# Altium PCB PowerBoardV1.PcbDoc
Units mil, origin at the board's own origin, x right, y up, seen from the top; angles counter-clockwise.
Board outline 3937.1 x 1929.3 mil, 2 copper layers (Top Layer, Bottom Layer); 4 components, 0 nets, 22 pads, 0 vias.
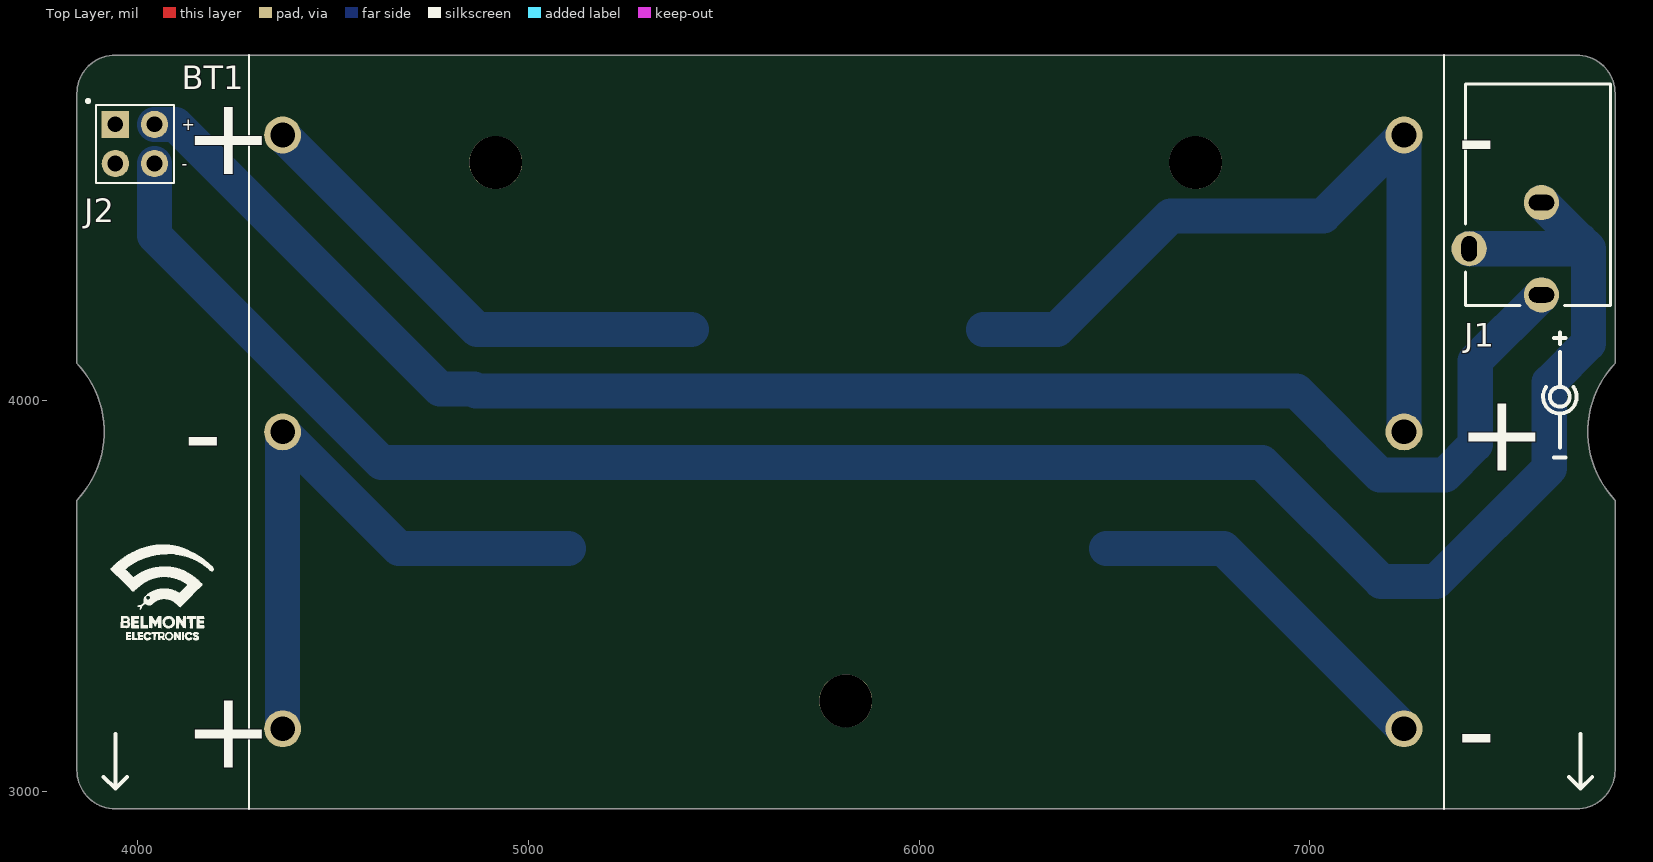
[diagram p0: Top Layer view]
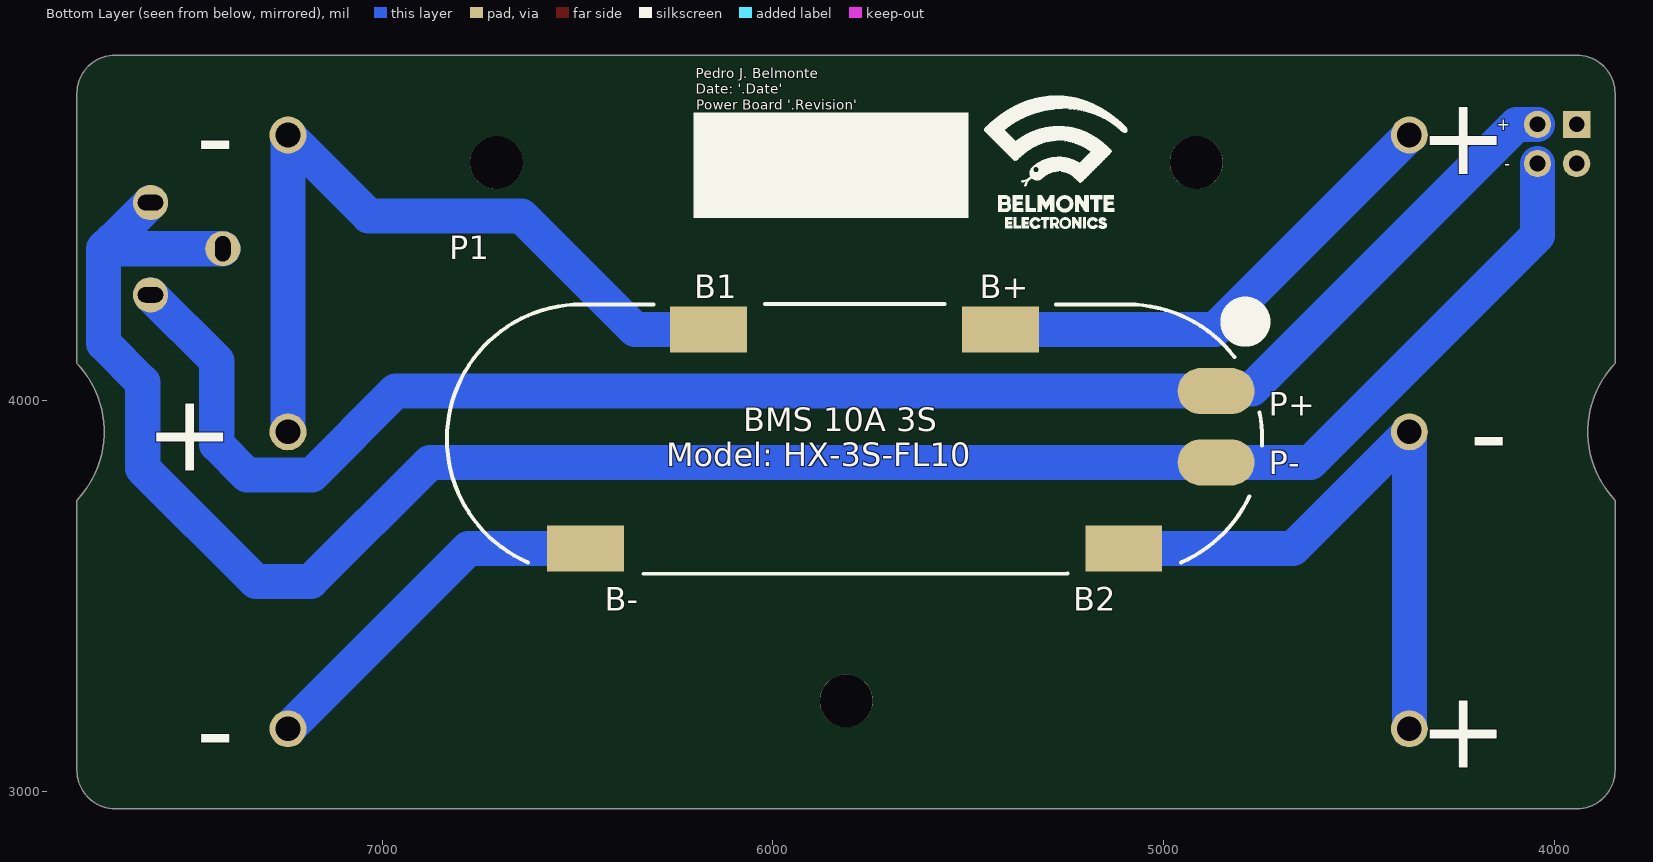
[diagram p1: Bottom Layer view, seen from below]

## Layer stack, top to bottom
Top Solder: solder mask 0.4, Solder Resist, Dk 3.5
Top Layer: signal copper 1.4
Dielectric1: dielectric 12.6, FR-4, Dk 4.8
Bottom Layer: signal copper 1.4
Bottom Solder: solder mask 0.4, Solder Resist, Dk 3.5

## Board outline
3844.4,3053.9 3844.4,3745.2 ccw(c3660.04,3920.3) 3844.4,4095.4 3844.4,4786.1 3844.4,4785.95 cw(c3943.15,4785.95) 3943.15,4884.7 7682.75,4884.7 cw(c7682.75,4785.95) 7781.5,4785.95 7781.5,4786.1 7781.5,4095.4 ccw(c7965.86,3920.3) 7781.5,3745.2 7781.5,3054 cw(c7682.9,3054) 7682.9,2955.4 3943,2955.4 cw(c3943,3054)

## Design rules (kind name [scope] priority, off if disabled: settings)
Clearance [All] p1: gap=10 ignorepadtopadclearanceinfootprint=FALSE except(0: Arc-Hole Track-Hole SMDPad-Hole THPad-Hole Via-Hole Fill-Hole Poly-Hole Region-Hole Text-Hole)
FabricationTestPointUsage TestPointUsage [All] p1: valid=0 allowmultiple=FALSE
FabricationTestpoint Testpoint [All] p1: side=3 testpointundercomponent=TRUE minsize=40 maxsize=100 preferedsize=60 minholesize=0 maxholesize=40 preferedholesize=32 testpointgrid=1 allowsidetop=TRUE allowsidebottom=TRUE usegrid=TRUE gridtolerance=0.01
PolygonConnect [All] p1: connectstyle=Relief reliefconductorwidth=10 reliefentries=4 polygonreliefangle="90 Angle" airgapwidth=10
RoutingVias [All] p1: holewidth=28 width=50 viastyle="Through Hole" minholewidth=28 minwidth=50 maxholewidth=28 maxwidth=50
SilkToSolderMaskClearance SilkscreenOverComponentPads [IsPad] p1: minsilkscreentomaskgap=10 clearancetoexposedcopper=TRUE
SolderMaskExpansion [All] p1: expansion=4 istentingtop=FALSE
Width [All] p1: maxlimit=10 minlimit=10 preferedwidth=10
27 further rules are at their usual default settings.

## Components (designator, comment, footprint, x,y, rotation, side; value= is the part's Value field where it differs from the comment)
BT1 "BK-18650-PC6" BAT_BK-18650-PC6 5814,3920 r0 top
J1 "PJ-102AH" "CUI PJ-102AH" 7593,4526.69 r0 top
J2 "PIN HEADER 2x1" M20-9950245 3993,4657 r0 top
P1 "BMS3S10A" BMS 5791,3902 r180 bottom

## Footprints (in the part's own frame and the unit in brackets; to place one, negate y for a bottom-side part, rotate by r counter-clockwise, add the part's x,y. Pads: shape width x height; smd on the part's side, far side on the other; paste and mask are expansions set on the pad)
BAT_BK-18650-PC6 [mm]
  round 2.4 hole 1.6: 1+(-36.65,19.3) 1-(36.25,19.3) 2+(36.25,0) 2-(-36.65,0) 3+(-36.65,-19.3) 3-(36.25,-19.3)
  silkscreen extent -38.85,-24.51 38.85,24.51, body extent -38.86,-29.68 38.79,29.72, height 21.7
BMS [mm]
  rect 5x3 smd: 1(9.5,7.112) 2(-9.5,7.112) 3(-17.5,-7.112) 4(17.5,-7.112)
  oval 5x3 smd: 5(23.5,-1.524) 6(23.5,3.11)
  silkscreen extent -26.5,-8.76 26.5,8.76
"CUI PJ-102AH" [mm] "DC Barrel Jack W/ Switch 2.0x5.5"
  round 2.286 hole 1 slot 1.651 at 0 deg: 1(0,-6.5) 2(0,-0.5)
  round 2.286 hole 1 slot 1.651 at 90 deg: 3(-4.7,-3.5)
  silkscreen extent -4.92,-7.2 4.47,7.2, body extent -4.92,-7.2 4.47,7.2, height 11
M20-9950245 [mil] "M20-9950245 Pin Connector"
  rect 70x70 hole 40: 1(-50,50)
  round 70 hole 40: 2(-50,-50) 3(50,50) 4(50,-50)
  silkscreen extent -124,-100 100,114, body extent -100,-62 100,548, height 202

## Part data
BT1: "Battery Holder _Open_ 18650 3 Cell PC Pin", Package=None, Availability=Unavailable, MF=MPD, MP=BK-18650-PC6, Price=None, SnapEDA_Link=https://www.snapeda.com/parts/BK-18650-PC6/MPD/view-part/4480464/?ref=snap
J1: "CONN PWR JACK 2X5.5MM SOLDER", Current Rating (Amps)=5A, Manufacturer="CUI Devices", Material Flammability Rating="UL94 V-0", Supplier Part Number 1=CP-102AH-ND, Voltage - Rated=24VDC, Actual Diameter="0.079\" (2.00mm ID), 0.256\" (6.50mm OD)", ComponentLink1Description=Datasheet, ComponentLink1URL=https://www.cuidevices.com/product/resource/digikeypdf/pj-102ah.pdf, ComponentLink2Description="DigiKey Link", ComponentLink2URL=//digikey.com/product-detail/en/cui-devices/PJ-102AH/CP-102AH-ND/408448, Connector Type=Jack, Gender=Male, Industry Recognized Mating Diameter="2.00mm ID (0.079\"), 5.50mm OD (0.217\")", Internal Switch(s)="Single Switch, Normally Closed", LastUpdated="12/16/2019 19:01:27", Lifecycle Status=0, Mating Length/Depth="0.354\" (9.00mm)", Minimum Order=1, Mounting Type="Through Hole, Right Angle", Number of Positions/Contacts="2 Conductors, 3 Contacts", Packaging=Tray, Part Number=PJ-102AH, Part Status=Active, Price=0.76, Series=-, Shielding=Unshielded, Supplier 1=DigiKey, Termination=Solder
J2: library part M20-9950245, "M20-9950245 Pin Connector", ComponentLink1Description=Datasheet, ComponentLink1URL=https://www.snapeda.com/parts/M20-9950245/Harwin/datasheet/
P1: library part BMS

## Free pads (board coordinates)
  round 135.43 hole 135.43: 1(4916.56,4609.46) 1(5812.23,3231.5) 1(6707.9,4609.46)

## Nets (pads, with @x,y where several pads share a name; then routed paths per layer and width w, separated by ;. In a path a pad name is that pad's centre, name@x,y a point inside that pad or via, vN(x,y) a via of type N, cw(c..) or ccw(c..) an arc to the next point about the centre after c; other vN are vias at no path point)
pads on no net: BT1.1+ BT1.1- BT1.2+ BT1.2- BT1.3+ BT1.3- J1.1 J1.2 J1.3 J2.1 J2.2 J2.3 J2.4 P1.1 P1.2 P1.3 P1.4 P1.5 P1.6
copper on no net: | length 15417.1
  Bottom Layer w90: 4043,4607 4043,4423 4624,3842 6878,3842 7183,3537 7323,3537 7613,3827 7613,4047 7713,4147 7713,4388.89 ; 4043,4707 4097,4707 4774.18,4029.82 4860.43,4029.82 4865.8,4024.44 6965.56,4024.44 7180.01,3809.99 7345.99,3809.99 7423.38,3887.38 7423.38,4101.15 7593,4270.78 ; 4371.09,3160.16 4371.09,3920 4669.09,3622 5102.02,3622 ; 4371.09,4679.84 4868.93,4182 5416.98,4182 ; 6165.02,4182 6353,4182 6644,4473 7034.32,4473 7241.17,4679.84 7241.17,3920 ; 6479.98,3622 6779.32,3622 7241.17,3160.16 ; 7407.96,4388.89 7713,4388.89 ; 7593,4507 7688.91,4411.09 7690.8,4411.09 7713,4388.89

## Silkscreen, mask and mechanical layers (free items; w line width, h text height)
Top Overlay:
  drawing of 33 lines, arcs and shapes, not listed
Bottom Overlay:
  drawing of 21 lines, arcs and shapes, not listed
  text "Pedro J. Belmonte" at 6198,4825 h25
  text "Date: '.Date'" at 6198,4785 h25
  text "Power Board '.Revision'" at 6196,4744 h25
Mechanical 1:
  lines w1: 3844.7,3053.9 3844.7,3745.2 ccw(c3660.34,3920.3) 3844.7,4095.4 3844.7,4786.1 ; 3844.7,3054 ccw(c3943.3,3054) 3943.3,2955.4 7683.2,2955.4 ccw(c7683.2,3054) 7781.8,3054 ; 3844.7,4785.95 cw(c3943.45,4785.95) 3943.45,4884.7 7683.05,4884.7 cw(c7683.05,4785.95) 7781.8,4785.95 ; 7781.8,3053.9 7781.8,3745.2 cw(c7966.16,3920.3) 7781.8,4095.4 7781.8,4786.1
Mechanical 16:
  drawing of 115 lines, arcs and shapes, not listed
  text "1" at 1427,7465 h70
  text "2" at 4287,7465 h70
  text "3" at 7167,7465 h70
  text "4" at 10037,7465 h70
  text "A" at 75,6559 h70
  text "A" at 11375,6559 h70
  text "B" at 75,4667 h70
  text "B" at 11375,4667 h70
  text "C" at 75,2757 h70
  text "C" at 11375,2757 h70
  text "Designer's signature:" at 5490,1060 h40
  text "Sheet title: Control Board Pcb" at 6620,980 h60
  text "D" at 75,867 h70
  text "D" at 11375,867 h70
  text "Project title: Balancing Robot" at 6620,730 h60
  text "Supervisor's signature:" at 5500,570 h40
  text "Designer: Pedro Javier Belmonte" at 6620,500 h60
  text "Date: 16-01-2020 Revision: V1 Sheet 1" at 6620,270 h60
  text "Tecnologias de Circuitos Impresos / Grado en Ingenieria de Tecnologias de Telecomunicacion / ETSIIT. University of Granada / C/ Periodista Daniel Saucedo Aranda, s/n, 18014, Granada, Granada, Spain" at 9045,172.08 h40
  text "1" at 1427,65 h70
  text "2" at 4287,65 h70
  text "3" at 7167,65 h70
  text "4" at 10037,65 h70

## Text inside footprints (layer, text, board x,y; h text height)
BT1: Bottom Overlay "+" at 7377.35,3820.03 h200; Bottom Overlay "+" at 4117.35,3060.03 h200; Bottom Overlay "-" at 4117.35,3820.03 h200; Bottom Overlay "-" at 7377.35,4580.03 h200; Bottom Overlay "-" at 7377.35,3060.03 h200; Bottom Overlay "+" at 4117.35,4580.03 h200; Top Overlay "+" at 4117.35,4580.03 h200; Top Overlay "+" at 4117.35,3060.03 h200; Top Overlay "-" at 4117.35,3820.03 h200; Top Overlay "-" at 7377.35,4580.03 h200; Top Overlay "-" at 7377.35,3060.03 h200; Top Overlay "+" at 7377.35,3820.03 h200
J2: Bottom Overlay "-" at 4113,4592 h30; Bottom Overlay "+" at 4113,4692 h30; Top Overlay "-" at 4113,4592 h30; Top Overlay "+" at 4113,4692 h30
P1: Bottom Overlay "B-" at 6430.99,3462 h60; Bottom Overlay "B2" at 5231.01,3462 h60; Bottom Overlay "B1" at 6200.99,4262 h60; Bottom Overlay "B+" at 5471.01,4262 h60; Bottom Overlay "P-" at 4731.01,3812 h60; Bottom Overlay "P+" at 4731.01,3962 h60; Bottom Overlay "BMS 10A 3S" at 6075.91,3922.01 h60; Bottom Overlay "Model: HX-3S-FL10" at 6273.51,3832.44 h60